# Allegro board 038RT-9068CJK8E-A100_0921.brd (continued)
## Placement (name value [footprint] x y rotation side) (continued)
CG54  0.1U-16-X7R-S4-TY  [C0402_UNBGA_V2]  97 206.22 180 bottom
CG55  0.1U-16-X7R-S4-TY  [C0402_UNBGA_V2]  87.4 202.22 180 bottom
CG56  0.1U-16-X7R-S4-TY  [C0402_UNBGA_V2]  87.8 201.02 270 bottom
CG57  2.2U-10-X7S-S4-MU  [C0402_UNBGA_V2]  85.8 209.42 180 bottom
CG58  0.1U-16-X7R-S4-TY  [C0402_UNBGA_V2]  87 201.02 270 bottom
CG59  0.1U-16-X7R-S4-TY  [C0402_UNBGA_V2]  97.8 211.02 0 bottom
CG60  0.1U-16-X7R-S4-TY  [C0402_UNBGA_V2]  97.8 210.22 0 bottom
CG61  2.2U-10-X7S-S4-MU  [C0402_UNBGA_V2]  86.2 207.42 270 bottom
CG62  2.2U-10-X7S-S4-MU  [C0402_UNBGA_V2]  87.4 203.02 180 bottom
CG63  2.2U-10-X7S-S4-MU  [C0402_UNBGA_V2]  86.6 212.62 0 bottom
CG64  2.2U-10-X7S-S4-MU  [C0402_UNBGA_V2]  97.8 205.42 0 bottom
CG65  2.2U-10-X7S-S4-MU  [C0402_UNBGA_V2]  89.4 209.82 270 bottom
CG66  2.2U-10-X7S-S4-MU  [C0402_UNBGA_V2]  87.4 203.82 180 bottom
CG67  2.2U-10-X7S-S4-MU  [C0402_UNBGA_V2]  90.2 209.82 270 bottom
CG68  0.1U-16-X7R-S4-TY  [C0402_UNBGA_V2]  89 203.02 0 bottom
CG69  2.2U-10-X7S-S4-MU  [C0402_UNBGA_V2]  88.6 206.62 270 bottom
CG70  2.2U-10-X7S-S4-MU  [C0402_UNBGA_V2]  86.6 211.82 0 bottom
CG71  0.1U-16-X7R-S4-TY  [C0402_UNBGA_V2]  89 203.82 0 bottom
CG72  0.1U-16-X7R-S4-TY  [C0402_UNBGA_V2]  90.2 202.62 90 bottom
CG73  0.1U-16-X7R-S4-TY  [C0402_UNBGA_V2]  89 204.62 180 bottom
CG74  10U-16-X7R-S8-SS  [C0805]  87.67 188.84 270 bottom
CG75  10U-16-X7R-S8-SS  [C0805]  96.11 186.5 0 bottom
CG76  47U-10-X7R-SB-MU  [C1210]  117.97 161.29 270 top
CG77  NC/100U-16-T-SC  [CODE_C]  111.62 153.03 270 top
CG78  47U-10-X7R-SB-MU  [C1210]  111.62 161.29 270 top
CG79  NC/100U-16-T-SC  [CODE_C]  117.97 153.03 270 top
CG80  1U-16-X-S6-TY  [C0603]  106.04 207.33 270 bottom
CG81  10U-16-X7R-S8-SS  [C0805]  107.8 207.3 270 bottom
CG82  1U-16-X-S6-TY  [C0603]  107.53 202.11 90 bottom
CG83  0.1U-16-X7R-S4-TY  [C0402_UNBGA_V2]  94.2 209.02 90 bottom
CG84  0.1U-16-X7R-S4-TY  [C0402_UNBGA_V2]  95.4 208.62 0 bottom
CG85  0.1U-16-X7R-S4-TY  [C0402_UNBGA_V2]  95.4 209.42 0 bottom
CG86  10U-16-X7R-S8-SS  [C0805]  109.28 202.08 90 bottom
CG87  1U-16-X-S6-TY  [C0603]  96.12 194.69 180 bottom
CG88  10U-16-X7R-S8-SS  [C0805]  96.09 192.94 180 bottom
CG89  0.1U-16-X7R-S4-TY  [C0402_UNBGA_V2]  106.35 216.07 270 bottom
CG90  1U-16-X-S6-TY  [C0603]  92.31 194.69 0 bottom
CG91  0.1U-16-X7R-S4-TY  [C0402_UNBGA_V2]  98.22 209.02 270 bottom
CG92  0.1U-16-X7R-S4-TY  [C0402_UNBGA_V2]  94.6 211.82 180 bottom
CG93  10U-16-X7R-S8-SS  [C0805]  124.32 156.21 180 top
CG94  10U-16-X7R-S8-SS  [C0805]  115.05 216.05 90 bottom
CG95  47U-10-X7R-SB-MU  [C1210]  124.32 151.13 270 top
CG96  10U-16-X7R-S8-SS  [C0805]  92.28 192.94 0 bottom
CG97  47U-10-X7R-SB-MU  [C1210]  130.67 151.13 270 top
CG98  1U-16-X-S6-TY  [C0603]  107.5 212.03 270 bottom
CG99  10U-16-X7R-S8-SS  [C0805]  109.25 212 270 bottom
CG100  1U-16-X-S6-TY  [C0603]  107.5 216.06 270 bottom
CG101  1U-16-X-S6-TY  [C0603]  87.28 179.89 180 top
CG102  1U-16-X-S6-TY  [C0603]  121.99 209.55 0 bottom
CG103  1U-16-X-S6-TY  [C0603]  121.99 206.38 0 bottom
CG104  1U-16-X-S6-TY  [C0603]  84.44 194.69 0 bottom
CG105  10U-16-X7R-S8-SS  [C0805]  84.41 192.94 0 bottom
CG106  1U-16-X-S6-TY  [C0603]  96.41 219.52 180 bottom
CG107  10U-16-X7R-S8-SS  [C0805]  96.43 221.28 180 bottom
CG108  10U-16-X7R-S8-SS  [C0805]  111.43 197.03 270 bottom
CG109  1U-16-X-S6-TY  [C0603]  117.25 207.3 90 bottom
CG110  1U-16-X-S6-TY  [C0603]  113.32 202.11 270 bottom
CG111  1U-16-X-S6-TY  [C0603]  96.11 188.52 0 bottom
CG112  1U-16-X-S6-TY  [C0603]  113.29 216.05 90 bottom
CG113  1U-10-X7R-S8  [C0805]  92.3 188.52 180 bottom
CG114  22U-10-X7S-S8-TDK  [C0805]  87.67 192.66 270 bottom
CG115  10U-16-X7R-S8-SS  [C0805]  92.3 186.5 180 bottom
CG116  10U-16-X7R-S8-SS  [C0805]  105.27 166.37 0 top
CG117  NC/100U-16-T-SC  [CODE_C]  105.27 153.03 270 top
CG118  47U-10-X7R-SB-MU  [C1210]  105.27 161.29 270 top
CG119  47U-10-X7R-SB-MU  [C1210]  98.92 161.29 270 top
CG120  NC/100U-16-T-SC  [CODE_C]  98.92 153.03 270 top
CG121  10U-16-X7R-S8-SS  [C0805]  86.22 166.37 0 top
CG122  10U-16-X7R-S8-SS  [C0805]  92.57 166.37 0 top
CG123  47U-10-X7R-SB-MU  [C1210]  86.22 161.29 270 top
CG124  NC/100U-16-T-SC  [CODE_C]  92.57 153.03 270 top
CG125  47U-10-X7R-SB-MU  [C1210]  92.57 161.29 270 top
CG126  NC/100U-16-T-SC  [CODE_C]  86.22 153.03 270 top
CG127  0.1U-16-X7R-S4-TY  [C0402_UNBGA_V2]  93.4 203.42 270 bottom
CG128  0.1U-16-X7R-S4-TY  [C0402_UNBGA_V2]  95.8 205.02 270 bottom
CG129  0.1U-16-X7R-S4-TY  [C0402_UNBGA_V2]  96.2 203.02 180 bottom
CG130  0.1U-16-X7R-S4-TY  [C0402_UNBGA_V2]  94.6 203.02 0 bottom
CG131  0.1U-16-X7R-S4-TY  [C0402_UNBGA_V2]  94.6 200.62 0 bottom
CG132  0.1U-16-X7R-S4-TY  [C0402_UNBGA_V2]  96.2 200.62 0 bottom
CG133  0.1U-16-X7R-S4-TY  [C0402_UNBGA_V2]  97.8 200.62 0 bottom
CG134  2.2U-10-X7S-S4-MU  [C0402_UNBGA_V2]  97.8 203.02 0 bottom
CG135  1U-16-X-S6-TY  [C0603]  115.35 197.03 90 bottom
CG136  2.2U-10-X7S-S4-MU  [C0402_UNBGA_V2]  89.4 198.62 270 bottom
CG137  0.1U-16-X7R-S4-TY  [C0402_UNBGA_V2]  89.4 200.22 90 bottom
CG138  0.1U-16-X7R-S4-TY  [C0402_UNBGA_V2]  85.8 198.22 180 bottom
CG139  0.1U-16-X7R-S4-TY  [C0402_UNBGA_V2]  86.2 199.42 90 bottom
CG140  1U-16-X-S6-TY  [C0603]  92.47 219.52 0 bottom
CG141  10U-16-X7R-S8-SS  [C0805]  92.5 221.28 0 bottom
CG142  10U-16-X7R-S8-SS  [C0805]  109.25 216.03 270 bottom
CG143  1U-16-X-S6-TY  [C0603]  109.68 197.06 270 bottom
CG144  1U-16-X-S6-TY  [C0603]  84.42 188.52 180 bottom
CG145  2.2U-10-X7S-S4-MU  [C0402_UNBGA_V2]  96.6 213.82 90 bottom
CG146  0.1U-16-X7R-S4-TY  [C0402_UNBGA_V2]  96.39 218.38 180 bottom
CG147  0.1U-16-X7R-S4-TY  [C0402_UNBGA_V2]  96.2 211.82 180 bottom
CG148  0.1U-16-X7R-S4-TY  [C0402_UNBGA_V2]  97.4 212.22 270 bottom
CG149  1U-16-X-S6-TY  [C0603]  96.42 225.32 0 bottom
CG150  2.2U-10-X7S-S4-MU  [C0402_UNBGA_V2]  91 213.82 90 bottom
CG151  0.1U-16-X7R-S4-TY  [C0402_UNBGA_V2]  91 212.22 270 bottom
CG152  0.1U-16-X7R-S4-TY  [C0402_UNBGA_V2]  87.8 212.22 270 bottom
CG154  1U-16-X-S6-TY  [C0603]  92.48 225.32 180 bottom
CG155  10U-16-X7R-S8-SS  [C0805]  115.05 212.02 90 bottom
CG156  10U-16-X7R-S8-SS  [C0805]  124.32 166.37 0 top
CG158  47U-10-X7R-SB-MU  [C1210]  130.67 161.29 270 top
CG159  47U-10-X7R-SB-MU  [C1210]  124.32 161.29 270 top
CG161  2.2U-10-X7S-S4-MU  [C0402_UNBGA_V2]  91 207.42 270 bottom
CG162  0.1U-16-X7R-S4-TY  [C0402_UNBGA_V2]  91.8 207.42 270 bottom
CG163  0.1U-16-X7R-S4-TY  [C0402_UNBGA_V2]  91.8 203.42 270 bottom
CG164  0.1U-16-X7R-S4-TY  [C0402_UNBGA_V2]  92.6 203.42 270 bottom
CG165  0.1U-16-X7R-S4-TY  [C0402_UNBGA_V2]  91.8 209.02 90 bottom
CG166  0.1U-16-X7R-S4-TY  [C0402_UNBGA_V2]  91 209.02 90 bottom
CG167  1U-16-X-S6-TY  [C0603]  113.29 212.02 90 bottom
CG169  10U-16-X7R-S8-SS  [C0805]  92.57 142.88 180 top
CG170  10U-16-X7R-S8-SS  [C0805]  86.22 142.88 180 top
CG171  47U-10-X7R-SB-MU  [C1210]  86.22 138.43 270 top
CG172  NC/100U-16-T-SC  [CODE_C]  92.57 130.18 270 top
CG173  47U-10-X7R-SB-MU  [C1210]  92.57 138.43 270 top
CG174  NC/100U-16-T-SC  [CODE_C]  86.22 130.18 270 top
CG178  10U-16-X7R-S8-SS  [C0805]  117.12 202.11 270 bottom
CG179  10U-16-X7R-S8-SS  [C0805]  115.09 202.11 270 bottom
CG180  10U-16-X7R-S8-SS  [C0805]  117.12 197.03 90 bottom
CG181  10U-16-X7R-S8-SS  [C0805]  84.42 186.5 180 bottom
CG182  10U-16-X7R-S8-SS  [C0805]  96.42 227.22 0 bottom
CG183  10U-16-X7R-S8-SS  [C0805]  92.48 227.22 180 bottom
CG326  1U-100-X7S-S8-TDK  [C0805]  67.17 203.84 270 bottom
CG327  4.7U-100-X-SB-MU  [C1210]  63.36 203.84 270 top
CH11  0.1U-16-X7R-S4-TY  [C0402]  192.63 20.59 270 top
CH21  0.1U-16-X7R-S4-TY  [C0402]  254.63 20.59 270 top
CH111  4.7U-25-X7R-S8-TY  [C0805]  214.85 52.96 180 bottom
CH112  0.1U-16-X7R-S4-TY  [C0402]  215.38 44.2 0 bottom
CH121  4.7U-25-X7R-S8-TY  [C0805]  222.96 54.99 0 bottom
CH122  0.1U-16-X7R-S4-TY  [C0402]  215.38 45.34 0 bottom
CH131  0.1U-16-X7R-S4-TY  [C0402]  244.83 20.37 0 bottom
CH141  4.7U-25-X7R-S8-TY  [C0805]  201.78 44.7 90 bottom
CH142  0.1U-16-X7R-S4-TY  [C0402]  217.65 42.33 0 bottom
CH152  0.1U-16-X7R-S4-TY  [C0402]  222.95 42.94 270 bottom
CH153  18P-50-N-S4-SS  [C0402]  226.72 47.5 180 bottom
CH154  18P-50-N-S4-SS  [C0402]  224.69 47.5 0 bottom
CH167  0.22U-16-X7R-S4-SS  [C0402]  216.5 48.26 270 top
CH168  0.22U-16-X7R-S4-SS  [C0402]  215.36 48.26 270 top
CH211  4.7U-25-X7R-S8-TY  [C0805]  276.86 52.96 180 bottom
CH212  0.1U-16-X7R-S4-TY  [C0402]  277.39 44.2 0 bottom
CH221  4.7U-25-X7R-S8-TY  [C0805]  284.97 54.99 0 bottom
CH222  0.1U-16-X7R-S4-TY  [C0402]  277.39 45.34 0 bottom
CH241  4.7U-25-X7R-S8-TY  [C0805]  263.79 44.7 90 bottom
CH242  0.1U-16-X7R-S4-TY  [C0402]  279.66 42.33 0 bottom
CH252  0.1U-16-X7R-S4-TY  [C0402]  284.96 42.94 270 bottom
CH253  18P-50-N-S4-SS  [C0402]  288.73 47.5 180 bottom
CH254  18P-50-N-S4-SS  [C0402]  286.7 47.5 0 bottom
CH267  0.22U-16-X7R-S4-SS  [C0402]  278.51 48.26 270 top
CH268  0.22U-16-X7R-S4-SS  [C0402]  277.37 48.26 270 top
CH1111  4.7U-25-X7R-S8-TY  [C0805]  204.21 40.12 180 bottom
CH1112  0.1U-16-X7R-S4-TY  [C0402]  217.65 39.53 0 bottom
CH1171  4.7U-25-X7R-S8-TY  [C0805]  215.51 32.56 270 bottom
CH1172  4.7U-25-X7R-S8-TY  [C0805]  222.84 31.47 270 bottom
CH1173  0.1U-16-X7R-S4-TY  [C0402]  215.31 36.19 180 bottom
CH1174  0.1U-16-X7R-S4-TY  [C0402]  215.31 34.93 180 bottom
CH1201  4.7U-25-X7R-S8-TY  [C0805]  213.72 29.72 180 bottom
CH1202  0.1U-16-X7R-S4-TY  [C0402]  217.85 37.78 90 bottom
CH1251  4.7U-25-X7R-S8-TY  [C0805]  213.72 27.5 180 bottom
CH1252  0.1U-16-X7R-S4-TY  [C0402]  219.86 37.72 90 bottom
CH1331  0.1U-16-X7R-S4-TY  [C0402]  222.26 37.72 90 bottom
CH1332  0.1U-16-X7R-S4-TY  [C0402]  244.63 31.83 0 bottom
CH1333  4.7U-25-X7R-S8-TY  [C0805]  245.43 33.86 0 bottom
CH1334  4.7U-25-X7R-S8-TY  [C0805]  245.43 36.4 0 bottom
CH1341  4.7U-25-X7R-S8-TY  [C0805]  224.87 31.47 270 bottom
CH1342  0.1U-16-X7R-S4-TY  [C0402]  223.4 37.72 90 bottom
CH1351  4.7U-25-X7R-S8-TY  [C0805]  229.41 34.54 0 bottom
CH1352  0.1U-16-X7R-S4-TY  [C0402]  225.04 37.2 180 bottom
CH1361  1U-16-X-S6-TY  [C0603]  235.29 40.05 270 bottom
CH1362  1U-16-X-S6-TY  [C0603]  235.29 43.74 90 bottom
CH1363  0.1U-16-X7R-S4-TY  [C0402]  229.32 38.8 270 bottom
CH1364  0.1U-16-X7R-S4-TY  [C0402]  228.18 38.8 270 bottom
CH1391  4.7U-25-X7R-S8-TY  [C0805]  229.41 36.57 0 bottom
CH1392  0.1U-16-X7R-S4-TY  [C0402]  225.04 38.34 180 bottom
CH1401  1U-16-X-S6-TY  [C0603]  233.81 40.05 270 bottom
CH1402  1U-16-X-S6-TY  [C0603]  232.34 40.05 270 bottom
CH1403  0.1U-16-X7R-S4-TY  [C0402]  225.04 42.91 180 bottom
CH1404  0.1U-16-X7R-S4-TY  [C0402]  225.04 41.77 180 bottom
CH1501  1U-16-X-S6-TY  [C0603]  232.34 43.74 90 bottom
CH1502  1U-16-X-S6-TY  [C0603]  233.81 43.74 90 bottom
CH1503  0.1U-16-X7R-S4-TY  [C0402]  225.04 40.62 180 bottom
CH1504  0.1U-16-X7R-S4-TY  [C0402]  225.04 39.48 180 bottom
CH1551  4.7U-25-X7R-S8-TY  [C0805]  222.96 52.93 0 bottom
CH1552  1U-16-X-S6-TY  [C0603]  221.83 46.68 90 bottom
CH1601  4.7U-25-X7R-S8-TY  [C0805]  219.3 52.93 180 bottom
CH1602  1U-16-X-S6-TY  [C0603]  220.42 46.68 90 bottom
CH1631  4.7U-25-X7R-S8-TY  [C0805]  219.3 54.99 180 bottom
CH1632  0.1U-16-X7R-S4-TY  [C0402]  219.15 46.99 90 bottom
CH1633  0.1U-16-X7R-S4-TY  [C0402]  204.4 38.48 180 bottom
CH1634  4.7U-25-X7R-S8-TY  [C0805]  204.21 36.89 180 bottom
CH2111  4.7U-25-X7R-S8-TY  [C0805]  266.22 40.12 180 bottom
CH2112  0.1U-16-X7R-S4-TY  [C0402]  279.66 39.53 0 bottom
CH2171  4.7U-25-X7R-S8-TY  [C0805]  277.52 32.56 270 bottom
CH2172  4.7U-25-X7R-S8-TY  [C0805]  284.85 31.47 270 bottom
CH2173  0.1U-16-X7R-S4-TY  [C0402]  277.32 36.19 180 bottom
CH2174  0.1U-16-X7R-S4-TY  [C0402]  277.32 34.93 180 bottom
CH2201  4.7U-25-X7R-S8-TY  [C0805]  275.73 29.72 180 bottom
CH2202  0.1U-16-X7R-S4-TY  [C0402]  279.86 37.78 90 bottom
CH2251  4.7U-25-X7R-S8-TY  [C0805]  275.73 27.5 180 bottom
CH2252  0.1U-16-X7R-S4-TY  [C0402]  281.86 37.72 90 bottom
CH2331  0.1U-16-X7R-S4-TY  [C0402]  284.26 37.72 90 bottom
CH2341  4.7U-25-X7R-S8-TY  [C0805]  286.88 31.47 270 bottom
CH2342  0.1U-16-X7R-S4-TY  [C0402]  285.41 37.72 90 bottom
CH2351  4.7U-25-X7R-S8-TY  [C0805]  291.42 34.54 0 bottom
CH2352  0.1U-16-X7R-S4-TY  [C0402]  287.05 37.2 180 bottom
CH2361  1U-16-X-S6-TY  [C0603]  297.3 40.05 270 bottom
CH2362  1U-16-X-S6-TY  [C0603]  297.3 43.74 90 bottom
CH2363  0.1U-16-X7R-S4-TY  [C0402]  291.33 38.8 270 bottom
CH2364  0.1U-16-X7R-S4-TY  [C0402]  290.19 38.8 270 bottom
CH2391  4.7U-25-X7R-S8-TY  [C0805]  291.42 36.57 0 bottom
CH2392  0.1U-16-X7R-S4-TY  [C0402]  287.05 38.34 180 bottom
CH2401  1U-16-X-S6-TY  [C0603]  295.82 40.05 270 bottom
CH2402  1U-16-X-S6-TY  [C0603]  294.35 40.05 270 bottom
CH2403  0.1U-16-X7R-S4-TY  [C0402]  287.05 42.91 180 bottom
CH2404  0.1U-16-X7R-S4-TY  [C0402]  287.05 41.77 180 bottom
CH2501  1U-16-X-S6-TY  [C0603]  294.35 43.74 90 bottom
CH2502  1U-16-X-S6-TY  [C0603]  295.82 43.74 90 bottom
CH2503  0.1U-16-X7R-S4-TY  [C0402]  287.05 40.62 180 bottom
CH2504  0.1U-16-X7R-S4-TY  [C0402]  287.05 39.48 180 bottom
CH2551  4.7U-25-X7R-S8-TY  [C0805]  284.97 52.93 0 bottom
CH2552  1U-16-X-S6-TY  [C0603]  283.84 46.68 90 bottom
CH2601  4.7U-25-X7R-S8-TY  [C0805]  281.3 52.93 180 bottom
CH2602  1U-16-X-S6-TY  [C0603]  282.43 46.68 90 bottom
CH2631  4.7U-25-X7R-S8-TY  [C0805]  281.3 54.99 180 bottom
CH2632  0.1U-16-X7R-S4-TY  [C0402]  281.16 46.99 90 bottom
CH2633  0.1U-16-X7R-S4-TY  [C0402]  266.41 38.48 180 bottom
CH2634  4.7U-25-X7R-S8-TY  [C0805]  266.22 36.89 180 bottom
CIN1  56U-20-E-S6.2X5.5-PAN  [ECS_5P3X6MM_H5P9]  32.92 393.14 180 top
CINX1  0.1U-50-X-S6  [C0603]  23.87 390.21 270 top
CM1  0.1U-16-X7R-S4-TY  [C0402]  337.17 278.94 180 bottom
CM2  0.1U-16-X7R-S4-TY  [C0402]  325.42 198.93 180 bottom
CM3  0.1U-16-X7R-S4-TY  [C0402]  325.8 278.94 180 bottom
CM4  0.1U-16-X7R-S4-TY  [C0402]  325.74 244.65 180 bottom
CM5  0.1U-16-X7R-S4-TY  [C0402]  325.42 210.36 180 bottom
CM6  0.1U-16-X7R-S4-TY  [C0402]  337.17 210.36 180 bottom
CM7  0.1U-16-X7R-S4-TY  [C0402]  337.17 244.65 180 bottom
CM8  0.1U-16-X7R-S4-TY  [C0402]  325.74 256.08 180 bottom
CM9  0.1U-16-X7R-S4-TY  [C0402]  337.17 198.93 180 bottom
CM10  0.1U-16-X7R-S4-TY  [C0402]  337.17 256.08 180 bottom
CM11  0.1U-16-X7R-S4-TY  [C0402]  325.74 267.51 180 bottom
CM12  0.1U-16-X7R-S4-TY  [C0402]  337.17 267.51 180 bottom
CM13  0.1U-16-X7R-S4-TY  [C0402]  337.17 233.22 180 bottom
CM14  0.1U-16-X7R-S4-TY  [C0402]  337.17 221.79 180 bottom
CM15  0.1U-16-X7R-S4-TY  [C0402]  325.42 221.79 180 bottom
CM16  0.1U-16-X7R-S4-TY  [C0402]  325.42 233.22 180 bottom
CMOS1  DMC1015UPD-13-POWERDI5060-8  [TRANS_POWERPAK_8P]  239.89 227.33 90 bottom
CON1  RJ45-1X1-D90-KINSUN-1  [CONN_RJ45_1X1D90_8P_90754D]  7.76 25.65 90 bottom
CON3  RJ45-1X1-D90-KINSUN-1  [CONN_RJ45_1X1D90_8P_90754D]  7.76 58.04 90 bottom
COUT0  15U-100-E-S9.2X8.5-PAN  [ECS_8P3X9MM_H11P9]  7.52 395.17 180 top
COUT1  1U-100-X7S-S8-TDK  [C0805]  13.87 389.58 0 top
CS1  22U-10-X7S-S8-TDK  [C0805]  123.4 32.99 180 top
CS2  100P-50-N-S4-YA  [C0402]  116.74 34.57 0 top
CS3  22U-10-X7S-S8-TDK  [C0805]  127.21 37.11 90 top
CS4  22U-10-X7S-S8-TDK  [C0805]  129.75 37.11 90 top
CS5  22P-50-N-S4-YA  [C0402]  116.74 37.11 180 top
CS61  0.1U-16-X7R-S4-TY  [C0402]  129.99 229.12 180 bottom
CS62  0.1U-16-X7R-S4-TY  [C0402]  129.99 227.96 180 bottom
CS63  0.1U-16-X7R-S4-TY  [C0402]  129.99 226.62 180 bottom
CS64  0.1U-16-X7R-S4-TY  [C0402]  129.99 225.45 180 bottom
CS71  0.1U-16-X7R-S4-TY  [C0402]  129.99 220.11 180 bottom
CS72  0.1U-16-X7R-S4-TY  [C0402]  129.99 218.94 180 bottom
CS73  0.1U-16-X7R-S4-TY  [C0402]  129.99 217.6 180 bottom
CS74  0.1U-16-X7R-S4-TY  [C0402]  129.99 216.43 180 bottom
CS101  0.1U-16-X7R-S4-TY  [C0402]  123.02 197.28 180 top
CS102  0.1U-16-X7R-S4-TY  [C0402]  123.02 196.11 180 top
CS103  0.22U-16-X7R-S4-SS  [C0402]  244.04 195.24 180 bottom
CS104  0.22U-16-X7R-S4-SS  [C0402]  244.04 196.41 180 bottom
CS107  0.1U-16-X7R-S4-TY  [C0402]  131.47 203.46 180 bottom
CS108  0.1U-16-X7R-S4-TY  [C0402]  131.47 202.29 180 bottom
CS111  0.1U-16-X7R-S4-TY  [C0402]  123.02 199.79 180 top
CS112  0.1U-16-X7R-S4-TY  [C0402]  123.02 198.62 180 top
CS113  0.22U-16-X7R-S4-SS  [C0402]  244.04 187.24 180 bottom
CS114  0.22U-16-X7R-S4-SS  [C0402]  244.04 188.41 180 bottom
CS117  0.1U-16-X7R-S4-TY  [C0402]  131.47 206.32 180 bottom
CS118  0.1U-16-X7R-S4-TY  [C0402]  131.47 205.15 180 bottom
CSNS1  1000P-50-N-S6-VI  [C0603]  18.95 398.22 90 top
CSS1  0.047U-50-X7R-S8-VI  [C0805_H1P45MM]  21.99 396.5 180 top
CT1  0.1U-16-X-S4-MU  [C0402]  596.43 46.83 180 bottom
CT2  10U-25-X7R-SA  [C1206]  347.74 13.99 180 top
CT3  4.7U-25-X7R-S8-TY  [C0805]  347.46 16.44 180 top
CT4  10U-25-X7R-SA  [C1206]  339.72 13.99 180 top
CT5  4.7U-25-X7R-S8-TY  [C0805]  339.44 16.45 180 top
CT6  10U-25-X7R-SA  [C1206]  642.75 22.53 90 top
CT7  4.7U-25-X7R-S8-TY  [C0805]  640.23 22.4 90 top
CT8  10U-50-X-SB-MU  [C1210]  340.08 24.66 180 top
CT9  4.7U-50-X-S8-MU  [C0805]  338.95 27.91 180 top
CT10  10U-50-X-SB-MU  [C1210]  340.08 33.96 180 top
CT11  4.7U-50-X-S8-MU  [C0805]  338.95 37.21 180 top
CT12  10U-50-X-SB-MU  [C1210]  340.22 43.18 180 top
CT13  4.7U-50-X-S8-MU  [C0805]  340.23 46.41 180 top
CTO_DGS00  SHORT  [DEFAULT_SHORT_SMALL]  328.64 137.61 180 top
CTO_DGS01  SHORT  [DEFAULT_SHORT_SMALL]  328.64 131.61 180 top
CTO_DGS02  SHORT  [DEFAULT_SHORT_SMALL]  328.64 125.61 180 top
CTO_DGS03  SHORT  [DEFAULT_SHORT_SMALL]  328.64 119.61 180 top
CTO_DGS04  SHORT  [DEFAULT_SHORT_SMALL]  328.64 113.61 180 top
CTO_DGS05  SHORT  [DEFAULT_SHORT_SMALL]  328.64 107.61 180 top
CTO_DGS06  SHORT  [DEFAULT_SHORT_SMALL]  328.64 101.61 180 top
CTO_DGS07  SHORT  [DEFAULT_SHORT_SMALL]  328.64 95.61 180 top
CTO_DGS08  SHORT  [DEFAULT_SHORT_SMALL]  369.28 137.61 180 top
CTO_DGS09  SHORT  [DEFAULT_SHORT_SMALL]  369.28 131.61 180 top
CTO_DGS10  SHORT  [DEFAULT_SHORT_SMALL]  369.28 125.61 180 top
CTO_DGS11  SHORT  [DEFAULT_SHORT_SMALL]  369.28 119.61 180 top
CTO_DGS12  SHORT  [DEFAULT_SHORT_SMALL]  369.28 113.61 180 top
CTO_DGS13  SHORT  [DEFAULT_SHORT_SMALL]  369.28 107.61 180 top
CTO_DGS14  SHORT  [DEFAULT_SHORT_SMALL]  369.28 101.61 180 top
CTO_DGS15  SHORT  [DEFAULT_SHORT_SMALL]  369.28 95.61 180 top
CTO_DGS16  SHORT  [DEFAULT_SHORT_SMALL]  308.32 137.61 180 top
CTO_DGS17  SHORT  [DEFAULT_SHORT_SMALL]  308.32 131.61 180 top
CTO_DGS18  SHORT  [DEFAULT_SHORT_SMALL]  308.32 125.61 180 top
CTO_DGS19  SHORT  [DEFAULT_SHORT_SMALL]  308.32 119.61 180 top
CTO_DGS20  SHORT  [DEFAULT_SHORT_SMALL]  308.32 113.61 180 top
CTO_DGS21  SHORT  [DEFAULT_SHORT_SMALL]  308.32 107.61 180 top
CTO_DGS22  SHORT  [DEFAULT_SHORT_SMALL]  308.32 101.61 180 top
CTO_DGS23  SHORT  [DEFAULT_SHORT_SMALL]  308.32 95.61 180 top
CTO_DGS24  SHORT  [DEFAULT_SHORT_SMALL]  389.6 137.61 180 top
CTO_DGS25  SHORT  [DEFAULT_SHORT_SMALL]  389.6 131.61 180 top
CTO_DGS26  SHORT  [DEFAULT_SHORT_SMALL]  389.6 125.61 180 top
CTO_DGS27  SHORT  [DEFAULT_SHORT_SMALL]  389.6 119.61 180 top
CTO_DGS28  SHORT  [DEFAULT_SHORT_SMALL]  389.6 113.61 180 top
CTO_DGS29  SHORT  [DEFAULT_SHORT_SMALL]  389.6 107.61 180 top
CTO_DGS30  SHORT  [DEFAULT_SHORT_SMALL]  389.6 101.61 180 top
CTO_DGS31  SHORT  [DEFAULT_SHORT_SMALL]  389.6 95.61 180 top
DGS40  SHORT  [DEFAULT_SHORT_SMALL]  351.39 124.71 270 top
DO1  SBRD10200TR-10A-DPAK  [TO252_123]  12.6 384.25 90 top
FD1  -  [FD_040_V2]  213.16 198.14 0 top
FD2  -  [FD_040_V2]  470.39 207.01 0 top
FD3  -  [FD_040_V2]  507.86 286.51 0 top
FD4  -  [FD_040_V2]  144.32 288.96 0 top
FD5  -  [FD_040_V2]  12.84 8.89 0 top
FD6  -  [FD_040_V2]  668.38 15.88 0 top
FD7  -  [FD_040_V2]  563.19 26.08 0 top
FD8  -  [FD_040_V2]  17.7 485.58 0 top
FD9  -  [FD_040_V2]  160.82 15.04 0 top
FD10  -  [FD_040_V2]  470.39 207.01 180 bottom
FD11  -  [FD_040_V2]  583.54 462.94 0 top
FD12  -  [FD_040_V2]  136.04 462.97 0 top
FD13  -  [FD_040_V2]  12.87 135.25 0 top
FD14  -  [FD_040_V2]  677.4 133.99 0 top
FD15  -  [FD_040_V2]  678.04 307.34 0 top
FD16  -  [FD_040_V2]  13.83 312.42 0 top
FD17  -  [FD_040_V2]  213.16 198.14 180 bottom
FD18  -  [FD_040_V2]  652.5 477.73 180 bottom
FD19  -  [FD_040_V2]  507.86 286.51 180 bottom
FD20  -  [FD_040_V2]  214.36 284.61 180 bottom
FD21  -  [FD_040_V2]  12.84 8.89 180 bottom
FD22  -  [FD_040_V2]  668.38 15.88 180 bottom
FD23  -  [FD_040_V2]  563.19 26.08 180 bottom
FD24  -  [FD_040_V2]  17.7 485.58 180 bottom
FD25  -  [FD_040_V2]  160.82 15.04 180 bottom
FD26  -  [FD_040_V2]  652.5 477.73 0 top
FD27  -  [FD_040_V2]  583.54 462.94 180 bottom
FD28  -  [FD_040_V2]  136.04 462.97 180 bottom
FD29  -  [FD_040_V2]  12.87 135.25 180 bottom
FD30  -  [FD_040_V2]  677.4 133.99 180 bottom
FD31  -  [FD_040_V2]  678.04 307.34 180 bottom
FD32  -  [FD_040_V2]  13.83 312.42 180 bottom
FD33  -  [FD_040_V2]  446.92 490.86 0 top
FD34  -  [FD_040_V2]  451.24 490.86 0 top
FD35  -  [FD_040_V2]  455.56 490.86 0 top
FD36  -  [FD_040_V2]  459.87 490.86 0 top
FILTER1  BNX026H01B  [FILTER_BNXO25H01L_6P]  609.87 22.09 180 top
FUSEB2  FRU250-30  [FRU_14X3_5P1MM]  20.42 429.52 270 bottom
FUSEB3  FRU250-30  [FRU_14X3_5P1MM]  20.42 469.64 270 bottom
FUSEB4  FRU250-30  [FRU_14X3_5P1MM]  20.42 451.75 270 bottom
GOLD0  RTL9068ABD-V2-GR-VFBGA273-17X17  [SK_VFBGA273P_0P8MM_90684D]  92.6 206.22 90 top
GOLD1  RTL9068ABD-V2-GR-VFBGA273-17X17  [SK_VFBGA273P_0P8MM_90684D]  598 206.22 270 top
GOLD2  RTL9068ABD-V2-GR-VFBGA273-17X17  [SK_VFBGA273P_0P8MM_90684D]  92.6 266.22 90 top
GOLD3  RTL9068ABD-V2-GR-VFBGA273-17X17  [SK_VFBGA273P_0P8MM_90684D]  598 266.22 270 top
GPHY2  CU/CONN-F-9-2304372-9-TE-V2  [CONN_SPECIFIC_8P_TE_V2]  11.29 219.07 90 bottom
GPHY3  CU/CONN-F-9-2304372-9-TE-V2  [CONN_SPECIFIC_8P_TE_V2]  11.29 238.12 90 bottom
H1  M3-HOLE  [M3_NPTH169]  179.78 284.64 180 bottom
H2  M3-HOLE  [M3_NPTH169]  512.94 285.12 0 top
HOST1  RTL9210-QFN68/CU/RTL9210-QFN68-8X8  [SK_QFN8X8_68P_0P4MM_ISC]  220.26 40.33 0 top
HOST2  RTL9210-QFN68/CU/RTL9210-QFN68-8X8  [SK_QFN8X8_68P_0P4MM_ISC]  282.26 40.33 0 top
J901  NP6  [PG_TDJ750_F_ME_OUTLINE_1024P_V2]  345.3 236.22 0 top
K4  CU/EC2-12NJ-A  [RL_NAL_12V]  179.48 47.62 270 top
K5  CU/EC2-12NJ-A  [RL_NAL_12V]  311.8 48.69 270 top
K6  CU/EC2-12NJ-A  [RL_NAL_12V]  108.22 33.9 270 top
K7  CU/EC2-12NJ-A  [RL_NAL_12V]  149.29 22.14 270 top
K8  CU/EC2-12NJ-A  [RL_NAL_12V]  184.97 245.82 90 bottom
K9  CU/EC2-12NJ-A  [RL_NAL_12V]  195.59 245.82 90 bottom
K10  CU/EC2-12NJ-A  [RL_NAL_12V]  206.16 245.82 90 bottom
K11  CU/EC2-12NJ-A  [RL_NAL_12V]  251.95 220.09 0 bottom
K34  CU/UA2-12NJ-A-V2_EX  [RL_NECUA2_12V_V2]  312.88 213.23 180 bottom
K52  CU/UA2-12NJ-A-V2  [RL_NECUA2_12V_V2]  54.24 150.41 90 top
K54  CU/UA2-12NJ-A-V2  [RL_NECUA2_12V_V2]  54.24 163.13 90 top
K56  CU/UA2-12NJ-A-V2  [RL_NECUA2_12V_V2]  61.29 150.41 90 top
K58  CU/UA2-12NJ-A-V2  [RL_NECUA2_12V_V2]  61.29 163.13 90 top
K60  CU/UA2-12NJ-A-V2  [RL_NECUA2_12V_V2]  257.21 204.6 180 bottom
K64  CU/UA2-12NJ-A-V2  [RL_NECUA2_12V_V2]  231.8 204.6 0 bottom
K82  CU/EC2-12NJ-A  [RL_NAL_12V]  149.11 38.47 270 top
K124  CU/UA2-12NJ-A-V2  [RL_NECUA2_12V_V2]  159.14 224.16 0 bottom
K130  CU/UA2-12NJ-A-V2  [RL_NECUA2_12V_V2]  257.21 211.71 180 bottom
K140  CU/UA2-12NJ-A-V2  [RL_NECUA2_12V_V2]  231.8 211.71 0 bottom
K144  PI3DBS12412AZHE-TQFN42  [TQFN9X3P5_42P_0P5MM_EP]  43.67 236.22 180 bottom
K145  PI3DBS12412AZHE-TQFN42  [TQFN9X3P5_42P_0P5MM_EP]  29.07 229.87 0 bottom
K180  CU/UA2-12NJ-A-V2  [RL_NECUA2_12V_V2]  206.41 217.96 0 bottom
K181  CU/UA2-12NJ-A-V2  [RL_NECUA2_12V_V2]  190.65 217.96 0 bottom
K182  CU/UA2-12NJ-A-V2  [RL_NECUA2_12V_V2]  174.9 230.37 0 bottom
K183  CU/UA2-12NJ-A-V2  [RL_NECUA2_12V_V2]  190.65 230.37 0 bottom
K184  PI3DBS12412AZHE-TQFN42  [TQFN9X3P5_42P_0P5MM_EP]  137.02 220.78 180 bottom
K211  CU/UA2-12NJ-A-V2  [RL_NECUA2_12V_V2]  187.91 53.96 270 top
K212  CU/UA2-12NJ-A-V2  [RL_NECUA2_12V_V2]  194.12 53.96 270 top
K213  PI3DBS12412AZHE-TQFN42_EX  [TQFN9X3P5_42P_0P5MM_EP]  251.27 188.82 180 bottom
K214  PI3DBS12412AZHE-TQFN42_EX  [TQFN9X3P5_42P_0P5MM_EP]  229.05 188.82 180 bottom
K217  PI3DBS12412AZHE-TQFN42_EX  [TQFN9X3P5_42P_0P5MM_EP]  137.02 204.62 180 bottom
K220  CU/UA2-12NJ-A-V2  [RL_NECUA2_12V_V2]  256.13 53.96 270 top
K221  CU/UA2-12NJ-A-V2  [RL_NECUA2_12V_V2]  249.92 53.96 270 top
K223  CU/EC2-12NJ-A  [RL_NAL_12V]  251.95 227.71 0 bottom
K225  CU/UA2-12NJ-A-V2  [RL_NECUA2_12V_V2]  141.58 232.44 180 bottom
K226  CU/UA2-12NJ-A-V2  [RL_NECUA2_12V_V2]  156.82 232.44 180 bottom
K227  CU/UA2-12NJ-A-V2  [RL_NECUA2_12V_V2]  141.58 238.79 180 bottom
K228  CU/UA2-12NJ-A-V2  [RL_NECUA2_12V_V2]  156.82 238.79 180 bottom
K231  CU/UA2-12NJ-A-V2  [RL_NECUA2_12V_V2]  190.65 224.16 0 bottom
K232  CU/UA2-12NJ-A-V2  [RL_NECUA2_12V_V2]  174.9 217.96 0 bottom
K233  CU/UA2-12NJ-A-V2  [RL_NECUA2_12V_V2]  174.9 224.16 0 bottom
K240  CU/UA2-12NJ-A-V2  [RL_NECUA2_12V_V2]  140.9 53.42 90 top
K241  CU/UA2-12NJ-A-V2  [RL_NECUA2_12V_V2]  126.93 53.02 270 top
K242  CU/UA2-12NJ-A-V2  [RL_NECUA2_12V_V2]  134.55 53.42 90 top
K243  CU/UA2-12NJ-A-V2  [RL_NECUA2_12V_V2]  120.58 53.02 270 top
KB1  CU/EC2-12NJ-A  [RL_NAL_12V]  40.18 389.31 90 top
L3  L2.2U-10A-S6.8X6.6-BO  [IND_6P6X6P4XH5MM]  232.9 227.33 90 bottom
LB1  L33U-2.9A-S12.3X12.3-CO  [IND_12X12_MM]  27.21 375.99 180 top
